# Altium PCB xe.PcbDoc (part 2 of 2)
Units mm, origin at the board's own origin, x right, y up, seen from the top; angles counter-clockwise.
Board outline 100.01 x 100.01 mm, 2 copper layers (Top Layer, Bottom Layer); 138 components, 83 nets, 412 pads, 42 vias.
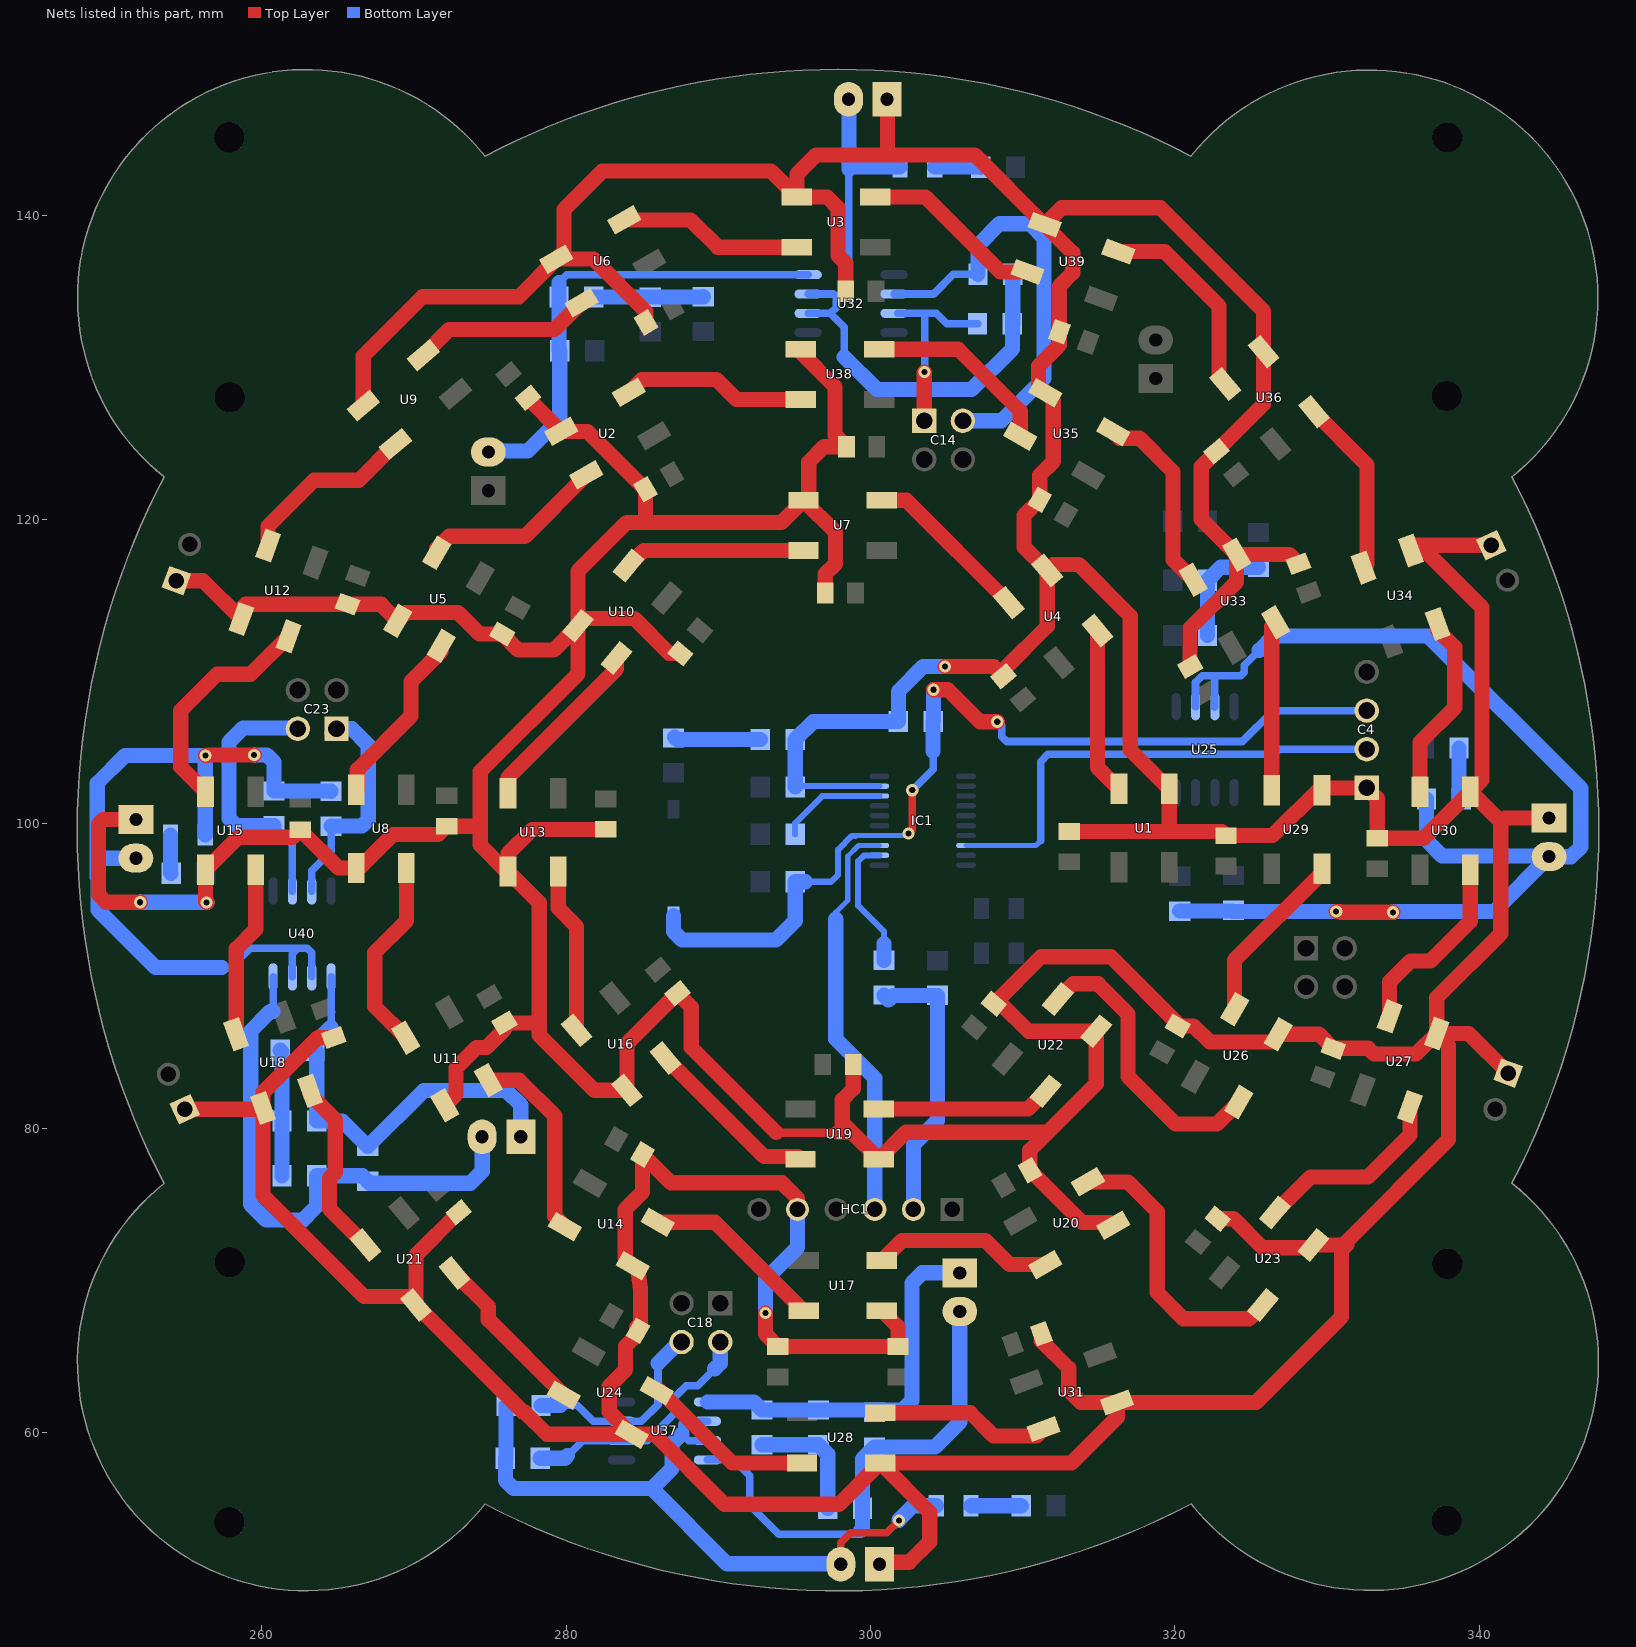
[diagram p2: the nets of this part, all layers, seen from the top]

## Via types
v1: diameter 0.8, hole 0.4, Top Layer to Bottom Layer, 42 vias

## Nets (pads, with @x,y where several pads share a name; then routed paths per layer and width w, separated by ;. In a path a pad name is that pad's centre, name@x,y a point inside that pad or via, vN(x,y) a via of type N, cw(c..) or ccw(c..) an arc to the next point about the centre after c; other vN are vias at no path point) (continued)
NetC13_2: C13.2 C16.2 R11.1 U32.4 | length 31.2
  Bottom Layer w0.5: 279.527,135.585 280.035,136.093 U32.4@295.899,136.093
  Bottom Layer w1: C13.2@274.879,124.435 274.955,124.511 277.47,124.511 279.578,126.619 C16.2@279.578,131.089 279.527,131.14 R11.1@279.527,134.62 279.527,135.585
NetC14_1: C14.1 R12.1 U32.7 | length 12.6
  Top Layer w1: C14.1@303.53,126.492 303.53,129.667 v1(303.555,129.692)
  Bottom Layer w0.5: U32.7@301.803,133.553 303.606,133.553 ; v1(303.555,129.692) 303.555,133.553 304.317,133.553 305.003,132.867 R12.1@307.035,132.867
NetC14_2: C14.2 R13.1 U32.6 | length 29
  Bottom Layer w0.5: U32.6@301.549,134.823 304.14,134.823 305.435,136.119 R13.1@307.061,136.119
  Bottom Layer w1: C14.2@306.07,126.492 308.61,126.492 311.404,129.286 311.404,138.506 310.464,139.446 308.483,139.446 307.061,138.024 R13.1@307.061,136.119
NetC17_1: C17.1 C19.1 LED8.2 LED9.1 U37.1 | length 25.1
  Bottom Layer w1: U37.1@289.286,62.001 292.329,62.001 LED8.2@292.862,61.468 LED9.1@296.577,61.468 302.082,61.468 302.717,62.103 302.717,69.825 303.378,70.485 C17.1@305.867,70.485
NetC17_2: C17.2 C19.2 R16.1 U37.4 | length 32.7
  Bottom Layer w0.5: U37.4@289.286,58.191 291.008,58.191 292.049,57.15 292.049,55.22 293.954,53.315 299.11,53.315 299.339,53.543
  Bottom Layer w1: 299.339,53.543 299.466,53.67 R16.1@299.466,55.016 299.466,58.255 C19.2@300.253,59.042 304.228,59.042 305.867,60.681 C17.2@305.867,67.945
NetC18_2: C18.2 R18.1 U37.6 | length 16.4
  Bottom Layer w0.5: 280.086,58.471 281.076,59.461 U37.6@283.636,59.461 285.318,59.461 287.122,61.265 287.122,62.306 287.884,63.068 288.646,63.068 289.763,64.186
  Bottom Layer w1: R18.1@278.282,58.293 279.908,58.293 280.086,58.471 ; 289.763,64.186 290.119,64.541 C18.2@290.119,65.938
NetC18_3: C18.3 R17.1 U37.7 | length 13.4
  Bottom Layer w0.5: 279.629,61.773 280.721,61.773 281.762,60.731 U37.7@283.636,60.731 284.937,60.731 286.029,61.824 286.029,64.541
  Bottom Layer w1: R17.1@278.333,61.773 279.629,61.773 ; 286.029,64.541 287.426,65.938 C18.3@287.579,65.938
NetC22_1: C22.1 C24.1 LED11.2 LED13.1 U40.1 | length 28.1
  Bottom Layer w0.5: 264.541,86.639 U40.1@264.541,89.936
  Bottom Layer w1: 264.541,86.639 263.487,85.585 LED13.1@263.487,85.115 263.601,85.001 LED11.2@263.601,80.467 265.278,80.467 C24.1@266.954,78.791 270.637,82.474 276.047,82.474 277.012,81.509 C22.1@277.012,79.426
NetC22_2: C22.2 C24.2 R20.1 U40.4 | length 36.6
  Bottom Layer w0.5: 260.731,87.655 U40.4@260.731,89.936
  Bottom Layer w1: 260.731,87.655 260.528,87.655 259.207,86.335 259.258,86.284 259.258,74.981 260.274,73.965 262.433,73.965 262.56,73.838 263.601,74.879 R20.1@263.601,76.86 266.598,76.86 C24.2@266.954,76.505 267.081,76.378 273.71,76.378 274.472,77.14 C22.2@274.472,79.426
NetC23_1: C23.1 R21.1 U40.7 | length 15.2
  Bottom Layer w0.5: U40.7@263.271,95.586 263.271,96.926 264.541,98.196 R21.1@264.541,99.847
  Bottom Layer w1: R21.1@264.541,99.847 266.573,99.847 266.979,100.254 266.979,105.181 265.913,106.248 C23.1@264.897,106.248 C23.1@264.617,105.969
NetC23_2: C23.2 R22.1 U40.6 | length 17.9
  Bottom Layer w0.5: R22.1@260.782,99.873 262.001,98.654 U40.6@262.001,95.586
  Bottom Layer w1: R22.1@260.782,99.873 258.318,99.873 257.835,100.355 257.835,105.385 258.75,106.299 262.306,106.299 C23.2@262.357,106.248
NetHC1_2: HC1.2 R1.1 R2.2 | length 18.2
  Bottom Layer w1: R1.1@300.888,88.748 300.888,88.697 301.168,88.417 301.473,88.722 R2.2@304.394,88.722 304.394,80.493 302.819,78.918 HC1.2@302.819,74.955
NetLED1_1: LED1.1 R3.1 | length 5.7
  Bottom Layer w1: LED1.1@287.109,105.702 287.274,105.537 R3.1@292.76,105.537
NetLED2_1: LED2.1 LED3.2 R7.2 | length 7.3
  Bottom Layer w1: LED3.2@322.148,112.37 LED2.1@322.148,116.002 323.012,116.865 R7.2@325.501,116.865
NetLED4_1: LED4.1 R10.2 | length 3.4
  Bottom Layer w1: LED4.1@338.684,104.978 338.684,101.765 R10.2@338.823,101.625
NetLED5_1: LED5.1 LED6.2 R11.2 | length 7.2
  Bottom Layer w1: R11.2@281.813,134.62 LED6.2@285.521,134.62 288.976,134.62 LED5.1@289.001,134.645
NetLED7_1: LED7.1 R14.2 | length 3
  Bottom Layer w1: R14.2@304.216,143.167 307.226,143.167 LED7.1@307.238,143.154
NetLED8_1: LED8.1 LED9.2 R16.2 | length 8.1
  Bottom Layer w1: LED8.1@292.862,59.182 LED9.2@296.577,59.182 297.18,58.579 R16.2@297.18,55.016
NetLED10_1: LED10.1 R15.2 | length 3.3
  Bottom Layer w1: R15.2@306.603,55.181 309.893,55.181 LED10.1@309.905,55.169
NetLED11_1: LED11.1 LED13.2 R20.2 | length 8.3
  Bottom Layer w1: LED13.2@261.201,85.115 261.315,85.001 LED11.1@261.315,80.467 R20.2@261.315,76.86
NetLED12_1: LED12.1 R19.2 | length 2.5
  Bottom Layer w1: R19.2@253.987,99.263 253.987,96.787 LED12.1@254.025,96.749
NetU1_2: U1.2 U4.4 | length 11
  Top Layer w1: U4.4@314.923,112.708 314.923,103.709 U1.2@316.335,102.297
NetU2_2: U2.2 U5.4 | length 12.1
  Top Layer w1: U5.4@271.493,117.803 271.493,118.102 272.288,118.897 277.279,118.897 U2.2@281.31,122.929
NetU2_4: U2.4 U38.2 | length 12.2
  Top Layer w1: U2.4@284.121,128.362 284.968,129.21 289.865,129.21 291.182,127.892 U38.2@295.416,127.892
NetU3_2: U3.2 U6.4 | length 12.1
  Top Layer w1: U6.4@283.816,139.691 288.172,139.691 289.963,137.9 U3.2@295.162,137.9
NetU3_4: U3.4 U39.2 | length 12
  Top Layer w1: U3.4@300.312,141.2 303.605,141.2 308.53,136.275 U39.2@310.317,136.275
NetU4_2: U4.2 U7.4 | length 11.1
  Top Layer w1: U7.4@300.744,121.261 302.356,121.261 U4.2@309.085,114.532
NetU5_2: U5.2 U8.4 | length 11.9
  Top Layer w0: U8.4@266.064,102.268 U8.4@266.268,102.268
  Top Layer w1: U8.4@266.268,102.268 266.268,103.556 269.799,107.086 269.799,109.347 271.775,111.324 U5.2@271.775,111.693
NetU6_2: U6.2 U9.4 | length 11.8
  Top Layer w1: U9.4@270.603,130.799 272.291,132.486 279.234,132.486 U6.2@281.006,134.258
NetU7_2: U7.2 U10.4 | length 11.9
  Top Layer w1: U10.4@284.084,116.967 285.078,117.961 U7.2@295.594,117.961
NetU8_2: U8.2 U11.4 | length 12.9
  Top Layer w1: U11.4@269.453,85.95 267.411,87.991 267.411,91.542 269.491,93.621 U8.2@269.491,97.093
NetU9_2: U9.2 U12.4 | length 11.9
  Top Layer w1: U12.4@260.404,118.292 260.404,119.561 263.423,122.58 266.37,122.58 268.75,124.96 U9.2@268.779,124.96
NetU10_2: U10.2 U13.4 | length 11.8
  Top Layer w1: U13.4@276.173,102.014 276.173,103.046 283.302,110.175 U10.2@283.302,110.901
NetU11_2: U11.2 U14.4 | length 12.9
  Top Layer w1: U11.2@274.885,83.14 276.905,83.14 279.248,80.797 279.248,74.188 U14.4@279.91,73.525
NetU12_2: U12.2 U15.4 | length 15.1
  Top Layer w1: U15.4@256.285,102.116 254.66,103.74 254.66,107.442 257.048,109.83 259.249,109.83 U12.2@261.743,112.324
NetU13_2: U13.2 U16.4 | length 10.9
  Top Layer w1: U13.2@279.473,96.864 279.473,94.466 280.681,93.257 U16.4@280.681,86.428
NetU14_2: U14.2 U17.4 | length 12
  Top Layer w1: U14.2@286.02,73.808 289.784,73.808 U17.4@295.597,67.994
NetU15_2: U15.2 U18.4 | length 11.3
  Top Layer w1: U18.4@258.305,86.166 258.305,91.783 259.585,93.062 U15.2@259.585,96.966
NetU16_2: U16.2 U19.4 | length 11.6
  Top Layer w1: U16.2@286.52,84.604 292.993,78.13 295.215,78.13 U19.4@295.394,77.951
NetU17_2: U17.2 U20.4 | length 11.9
  Top Layer w1: U17.2@300.747,71.294 302.071,72.619 307.543,72.619 309.134,71.028 U20.4@311.484,71.028
NetU18_2: U18.2 U21.4 | length 12
  Top Layer w1: U18.2@263.168,82.455 263.168,82.196 264.82,80.543 264.82,77.089 264.439,76.708 264.439,74.679 U21.4@266.813,72.305
NetU19_2: U19.2 U22.4 | length 11.5
  Top Layer w1: U19.2@300.544,81.251 310.349,81.251 U22.4@311.521,82.423
NetU20_2: U20.2 U23.4 | length 18.7
  Top Layer w1: U20.2@314.294,76.461 316.909,76.461 318.846,74.524 318.846,69.19 320.573,67.462 324.881,67.462 U23.4@325.795,68.376
NetU21_2: U21.2 U24.4 | length 11
  Top Layer w1: U21.2@272.651,70.482 274.879,68.254 274.879,67.406 U24.4@279.834,62.451
NetU22_2: U22.2 U26.4 | length 19.2
  Top Layer w1: U22.2@312.303,88.489 313.298,89.484 314.985,89.484 314.96,89.459 316.916,87.503 316.916,83.388 320.04,80.264 322.763,80.264 U26.4@324.214,81.714
NetU23_2: U23.2 U27.4 | length 12.8
  Top Layer w1: U23.2@326.578,74.443 328.919,76.784 332.689,76.784 335.455,79.55 U27.4@335.455,81.377
NetU24_2: U24.2 U28.4 | length 11.5
  Top Layer w1: U24.2@285.944,62.733 286.161,62.733 290.908,57.987 U28.4@295.496,57.987
NetU26_2: U26.2 U29.4 | length 11.6
  Top Layer w1: U26.2@323.931,87.824 323.931,91.038 329.668,96.775 U29.4@329.668,97.045
NetU27_2: U27.2 U30.4 | length 12.6
  Top Layer w1: U27.2@334.115,87.345 334.115,89.615 335.483,90.983 336.804,90.983 339.422,93.6 U30.4@339.422,96.969
NetU28_2: U28.2 U31.4 | length 11.5
  Top Layer w1: U28.2@300.646,61.287 306.556,61.287 308.077,59.766 310.925,59.766 U31.4@311.37,60.211
NetU29_2: U29.2 U33.4 | length 11.2
  Top Layer w1: U29.2@326.368,102.195 326.368,112.97 U33.4@326.635,113.237
NetU30_2: U30.2 U34.4 | length 12.4
  Top Layer w1: U30.2@336.122,102.119 336.122,105.363 338.404,107.645 338.404,111.608 337.274,112.738 U34.4@337.274,113.123
NetU33_2: U33.2 U35.4 | length 12.7
  Top Layer w1: U35.4@315.948,125.763 316.363,125.349 317.678,125.349 319.888,123.139 319.888,117.361 U33.2@321.202,116.047
NetU34_2: U34.2 U36.4 | length 11.8
  Top Layer w1: U36.4@329.147,127.085 332.638,123.593 332.638,117.06 U34.2@332.412,116.833
NetU35_2: U35.2 U38.4 | length 12.6
  Top Layer w1: U38.4@300.566,131.192 305.764,131.192 309.838,127.118 U35.2@309.838,125.481
NetU36_2: U36.2 U39.4 | length 13.4
  Top Layer w1: U39.4@316.285,137.614 319.332,137.614 322.91,134.036 322.91,129.307 U36.2@323.309,128.908
NRST: C3.2 C4.3 IC1.4 R4.1 SW1.1 | length 63.6
  Top Layer w0.5: v1(302.489,99.365) 302.463,99.339 302.463,99.289 302.743,99.568 v1(302.743,102.21)
  Top Layer w1: v1(304.14,108.814) 305.079,108.814 307.188,106.705 v1(308.331,106.705)
  Bottom Layer w0.35: 299.003,99.207 299.024,99.228 IC1.4@300.578,99.228 302.352,99.228 v1(302.489,99.365)
  Bottom Layer w0.4: 295.732,96.19 297.409,96.19 297.866,96.647 297.866,98.297 298.775,99.207 299.003,99.207
  Bottom Layer w0.5: v1(302.743,102.21) 304.114,103.581 304.114,104.775 ; v1(308.331,106.705) 308.407,106.705 308.635,106.477 308.635,105.715 308.94,105.41 324.434,105.41 326.466,107.442 C4.3@332.613,107.442
  Bottom Layer w1: SW1.1@287.045,93.96 287.045,92.913 287.604,92.354 293.776,92.354 295.046,93.624 C3.2@295.046,96.19 295.732,96.19 ; 304.114,104.775 R4.1@304.114,106.731 304.14,106.756 v1(304.14,108.814)
RX: HC1.3 IC1.3 | length 26.7
  Bottom Layer w0.35: 297.713,93.726 297.713,94.183 298.501,94.971 298.501,97.866 299.213,98.578 IC1.3@300.578,98.578
  Bottom Layer w1: 297.713,93.726 297.713,85.852 300.279,83.287 HC1.3@300.279,74.955
SWIM: C4.2 IC1.18 | length 32
  Bottom Layer w0.35: IC1.18@306.278,98.578 310.871,98.578 311.175,98.882
  Bottom Layer w0.5: 311.175,98.882 311.175,104.089 311.658,104.572 326.542,104.572 326.873,104.902 C4.2@332.613,104.902
TX: IC1.2 R1.2 | length 8.8
  Bottom Layer w0.4: IC1.2@300.578,97.928 299.579,97.928 299.187,97.536 299.187,94.615 300.888,92.913 300.888,92.126
  Bottom Layer w1: R1.2@300.888,91.034 300.888,92.126
VCAP: C1.2 IC1.8 | length 7
  Bottom Layer w0.4: C1.2@295.046,99.306 295.046,100.051 296.82,101.824 IC1.8@300.578,101.824
VCC: C2.2 C4.1 C5.1 C6.1 C7.1 C8.1 C9.1 C15.1 C20.1 C21.1 Cx1.2 Cx2.2 Cx3.2 Cx4.2 Cx5.2 Cx6.2 Cx7.2 Cx8.2 Cx9.2 Cx10.2 Cx11.2 Cx12.2 Cx13.2 Cx14.2 Cx15.2 Cx16.2 Cx17.2 Cx18.2 Cx19.2 Cx20.2 Cx21.2 Cx22.2 Cx23.2 Cx24.2 Cx25.2 Cx26.2 Cx27.2 Cx28.2 Cx29.2 Cx30.2 Cx31.2 Cx32.2 Cx33.2 Cx34.2 Cx35.2 Cx36.2 HC1.5 IC1.9 R3.2 R4.2 U1.1 U2.1 U3.1 U4.1 U5.1 U6.1 U7.1 U8.1 U9.1 U10.1 U11.1 U12.1 U13.1 U14.1 U15.1 U16.1 U17.1 U18.1 U19.1 U20.1 U21.1 U22.1 U23.1 U24.1 U26.1 U27.1 U28.1 U29.1 U30.1 U31.1 U33.1 U34.1 U35.1 U36.1 U38.1 U39.1 | length 797
  Top Layer w0.55: 293.802,79.705 297.84,79.705
  Top Layer w1: C21.1@251.714,100.279 249.555,100.279 249.25,99.974 249.25,95.352 249.758,94.844 251.892,94.844 251.917,94.818 251.943,94.844 v1(251.993,94.844) ; C5.1@254.376,115.977 256.118,115.977 U12.1@258.642,113.453 ; C6.1@254.921,81.239 259.979,81.239 U18.1@260.067,81.326 ; v1(256.362,94.818) 256.285,94.896 U15.1@256.285,96.966 258.429,99.111 262.011,99.111 Cx15.2@262.509,99.609 265.025,97.093 U8.1@266.191,97.093 266.409,97.093 268.605,99.289 271.586,99.289 Cx8.2@272.136,99.838 274.126,99.838 274.345,99.619 ; U12.1@258.642,114.142 258.928,114.427 Cx12.2@265.621,114.427 267.833,114.427 U5.1@268.918,113.343 269.468,113.894 272.872,113.894 274.297,112.469 Cx5.2@275.801,112.469 276.84,111.43 279.181,111.43 U10.1@280.774,113.022 ; Cx18.2@264.719,85.954 263.677,85.954 260.067,82.343 U18.1@260.067,81.326 ; U9.1@266.658,127.488 266.658,130.743 270.561,134.645 276.885,134.645 U6.1@279.356,137.116 ; U11.1@272.028,81.49 272.745,82.207 272.745,83.947 274.091,85.293 274.752,85.293 275.938,86.479 Cx11.2@275.938,86.916 277.942,86.916 278.219,86.639 ; Cx21.2@272.931,74.469 270.123,71.661 U21.1@270.123,68.36 ; Cx9.2@277.478,128.012 277.478,127.97 U2.1@279.66,125.787 281.406,125.787 Cx2.2@285.214,121.979 285.214,119.967 285.369,119.812 ; Cx13.2@282.601,99.635 277.765,99.635 276.173,98.043 U13.1@276.173,96.864 ; Cx6.2@285.24,132.951 285.24,133.657 281.781,137.116 U6.1@279.356,137.116 ; Cx10.2@287.495,111.197 286.77,111.197 284.48,113.487 281.239,113.487 U10.1@280.774,113.022 ; v1(293.091,67.843) 293.091,66.456 Cx17.2@293.903,65.643 Cx27.2@301.803,65.643 301.803,66.939 U17.1@300.747,67.994 ; 293.802,79.705 288.214,85.293 288.214,87.964 Cx16.2@287.307,88.871 283.992,85.555 U16.1@283.992,82.483 281.855,82.483 278.219,86.119 278.219,86.639 ; HC1.5@295.199,74.955 295.199,75.387 294.183,76.403 286.878,76.403 Cx14.2@285.016,78.265 285.016,75.796 283.87,74.651 283.87,71.45 U14.1@284.37,70.95 284.709,70.612 284.886,69.418 284.886,67.158 284.632,66.904 284.632,66.396 283.896,65.659 283.896,64.11 282.829,63.043 282.829,61.341 U24.1@284.294,59.876 ; U38.1@295.416,131.192 295.416,130.974 297.663,128.727 297.663,125.543 Cx35.2@298.415,124.79 296.951,124.79 295.935,123.774 295.935,121.602 U7.1@295.594,121.261 ; Cx7.2@297.018,115.163 297.018,116.408 297.688,117.078 297.688,119.167 U7.1@295.594,121.261 ; 297.84,79.705 298.79,79.705 ; Cx3.2@298.364,135.001 298.364,136.865 297.866,137.363 297.866,140.487 297.153,141.2 U3.1@295.162,141.2 ; Cx19.2@298.866,84.176 298.866,82.585 298.145,81.864 298.145,80.35 298.79,79.705 ; C20.1@300.507,51.613 300.66,51.46 302.539,51.46 303.886,52.807 303.886,54.747 U28.1@300.646,57.987 ; C15.1@301.117,147.193 301.117,144.043 301.193,143.967 ; v1(304.902,110.338) 308.098,110.338 Cx4.2@308.729,109.707 308.729,110.101 311.613,112.985 U4.1@311.613,116.653 ; Cx30.2@311.226,66.484 311.226,66.015 313.03,64.211 313.03,62.763 313.821,61.972 U31.1@316.209,61.972 ; Cx1.2@313.503,99.492 319.635,99.492 ; U20.1@315.944,73.603 315.76,73.787 313.913,73.787 Cx36.2@310.467,77.234 310.467,78.539 311.658,79.731 ; Cx31.2@321.005,110.338 321.005,112.852 324.06,115.907 U33.1@324.06,117.697 ; Cx20.2@322.816,74.045 323.846,74.045 325.755,72.136 328.92,72.136 U23.1@329.106,72.321 331.3,72.321 ; Cx29.2@328.131,117.094 327.527,117.697 U33.1@324.06,117.697 ; C8.1@340.792,118.313 335.863,118.313 U34.1@335.513,117.962 336.444,117.962 340.182,114.224 340.182,102.88 U30.1@339.422,102.119 ; C7.1@341.915,83.616 339.314,86.217 U27.1@337.216,86.217 ; C9.1@344.602,100.381 341.694,100.381 341.427,100.114 ; U18.1@260.067,81.326 260.067,75.569 266.7,68.936 269.548,68.936 U21.1@270.123,68.36 ; U21.1@270.123,68.36 277.143,61.341 277.266,61.341 278.732,59.876 U24.1@284.294,59.876 ; 274.345,99.619 274.345,103.429 280.774,109.857 U10.1@280.774,113.022 ; 274.345,99.619 274.345,98.603 276.084,96.864 U13.1@276.173,96.864 ; U13.1@276.173,96.864 278.219,94.818 278.219,86.639 ; U6.1@279.356,137.116 279.857,137.617 279.857,140.386 282.372,142.9 293.462,142.9 U3.1@295.162,141.2 ; U10.1@280.774,113.022 280.774,116.614 283.972,119.812 285.369,119.812 ; U24.1@284.294,59.876 285.793,59.876 290.398,55.27 297.917,55.27 300.633,57.987 U28.1@300.646,57.987 ; 285.369,119.812 294.145,119.812 U7.1@295.594,121.261 ; U3.1@295.162,141.2 295.162,142.711 296.418,143.967 301.193,143.967 ; 298.79,79.705 U19.1@300.544,77.951 302.323,79.731 311.658,79.731 ; U28.1@300.646,57.987 313.206,57.987 316.209,60.99 U31.1@316.209,61.972 ; 301.193,143.967 306.854,143.967 U39.1@311.446,139.376 ; U39.1@311.446,139.376 313.284,137.538 313.284,136.22 312.42,135.357 Cx34.2@312.42,132.346 312.42,131.47 311.048,130.099 311.048,128.778 U35.1@311.488,128.338 312.014,127.813 312.014,123.825 311.122,122.933 Cx33.2@311.122,121.302 310.083,120.264 310.083,118.183 U4.1@311.613,116.653 ; U39.1@311.446,139.376 312.558,140.487 319.049,140.487 325.837,133.7 U36.1@325.837,131.03 325.837,127.576 Cx32.2@322.75,124.489 321.742,123.481 321.742,120.015 U33.1@324.06,117.697 ; U4.1@311.613,116.653 312.003,117.043 313.69,117.043 317.068,113.665 317.068,104.864 U1.1@319.635,102.297 319.635,99.492 ; 311.658,79.731 314.831,82.903 U22.1@314.831,86.368 310.38,86.368 308.585,88.163 Cx22.2@308.102,88.163 311.201,91.262 315.798,91.262 320.184,86.876 Cx25.2@320.184,86.718 321.231,86.718 322.301,85.649 326.39,85.649 326.789,86.047 U26.1@326.789,86.174 329.483,86.174 Cx23.2@330.415,85.242 332.715,85.242 333.096,84.861 335.861,84.861 U27.1@337.216,86.217 ; U31.1@316.209,61.972 325.345,61.972 330.962,67.589 330.962,71.984 331.3,72.321 ; 319.635,99.492 323.097,99.492 Cx28.2@323.367,99.222 326.425,99.222 329.565,102.362 C4.1@332.613,102.362 333.299,101.676 Cx26.2@333.299,99.044 336.347,99.044 U30.1@339.422,102.119 ; 331.3,72.321 331.3,72.55 337.998,79.248 337.998,85.435 U27.1@337.216,86.217 ; U27.1@337.216,86.217 337.216,88.576 341.427,92.786 341.427,100.114 ; U30.1@339.422,102.119 341.427,100.114
  Bottom Layer w0.4: C2.2@295.046,102.421 295.103,102.478 IC1.9@300.578,102.478
  Bottom Layer w1: v1(251.993,94.844) 256.21,94.844 256.235,94.818 v1(256.362,94.818) ; v1(293.091,67.843) 293.091,70.053 295.199,72.161 HC1.5@295.199,74.651 ; C2.2@295.046,102.421 R3.2@295.046,105.537 296.24,106.731 R4.2@301.828,106.731 301.828,108.712 303.454,110.338 v1(304.902,110.338)
VCC_Motor_1: C9.2 R8.2 R9.2 R10.1 U25.2 U25.3 | length 78
  Top Layer w1: v1(330.606,94.234) 330.86,94.234 330.911,94.183 v1(334.34,94.183)
  Bottom Layer w0.5: U25.2@321.361,107.702 321.361,109.296 321.793,109.728 322.428,109.728 ; U25.3@322.605,107.676 U25.3@322.631,107.702 322.631,109.525 322.428,109.728 ; 325.552,111.404 324.561,110.414 324.561,109.957 324.333,109.728 322.428,109.728
  Bottom Layer w1: R8.2@320.319,94.259 323.799,94.259 323.825,94.234 v1(330.606,94.234) ; 325.552,111.404 326.492,112.344 336.652,112.344 346.685,102.311 346.685,98.476 346.05,97.841 C9.2@344.602,97.841 ; v1(334.34,94.183) 334.391,94.234 340.995,94.234 C9.2@344.602,97.841 ; R10.1@336.537,101.625 336.537,98.92 337.566,97.892 344.551,97.892 C9.2@344.602,97.841
VCC_Motor_2: C15.2 R12.2 R13.2 R14.1 U32.2 U32.3 | length 42.6
  Bottom Layer w0.5: U32.2@295.899,133.553 297.358,133.553 ; U32.3@295.899,134.823 297.536,134.823 297.764,134.595 ; 298.272,130.683 298.272,132.639 297.358,133.553 ; 298.577,143.027 298.577,134.722 298.399,134.544 297.815,134.544 297.764,134.595 ; 297.358,133.553 297.764,133.96 297.764,134.595
  Bottom Layer w1: 298.272,130.683 300.417,128.538 306.643,128.538 309.321,131.216 R12.2@309.321,132.867 309.347,132.893 R13.2@309.347,136.119 ; C15.2@298.577,147.193 298.577,143.027 298.717,143.167 R14.1@301.93,143.167
VCC_Motor_3: C20.2 R15.1 R17.2 R18.2 U37.2 U37.3 | length 46.3
  Top Layer w0.5: C20.2@298.044,51.333 298.044,52.73 298.704,53.391 301.066,53.391 v1(301.879,54.204)
  Bottom Layer w0.5: U37.3@289.286,59.461 288.061,59.461 287.604,59.919 287.604,60.528 287.807,60.731 U37.2@289.286,60.731
  Bottom Layer w1: R17.2@276.047,61.773 276.047,58.344 R18.2@275.996,58.293 275.996,56.845 276.53,56.312 285.623,56.312 ; 287.604,59.919 286.944,59.258 286.944,57.633 285.623,56.312 ; C20.2@297.612,51.13 297.383,51.359 290.576,51.359 285.623,56.312 ; v1(301.879,54.204) 301.879,54.254 302.806,55.181 R15.1@304.317,55.181
VCC_Motor_4: C21.2 R19.1 R21.2 R22.2 U40.2 U40.3 | length 54.3
  Top Layer w1: v1(256.286,104.496) 256.413,104.496 256.438,104.521 v1(259.486,104.521)
  Bottom Layer w0.5: 257.378,90.551 257.962,90.551 259.232,91.821 262.357,91.821 ; U40.3@262.001,89.936 262.001,91.465 262.357,91.821 ; U40.2@263.271,89.936 263.271,91.516 262.966,91.821 262.357,91.821
  Bottom Layer w1: C21.2@251.714,97.739 249.276,97.739 249.174,97.638 ; R19.1@256.273,99.263 256.273,104.483 v1(256.286,104.496) 251.003,104.496 249.174,102.667 249.174,97.638 ; 257.378,90.551 253.009,90.551 249.225,94.336 249.225,96.444 249.174,96.495 249.174,97.638 ; v1(259.486,104.521) 260.325,104.521 260.782,104.064 R22.2@260.782,102.159 264.516,102.159 R21.2@264.541,102.133
pads on no net: HC1.1 HC1.6 IC1.15 IC1.16 IC1.17 U31.2

## Polygon pours and split planes (outlines as drawn)
GND on Bottom Layer "GND_BOTTOM" (solid, pour order 14): 247.828,149.606 347.878,149.606 347.878,49.555 247.828,49.555
no net on Bottom Layer "Bottom Layer-No Net" (solid, pour order 4): 247.828,149.606
no net on Bottom Layer "Bottom Layer-No Net 1" (solid, pour order 2): 264.744,149.479
GND on Top Layer "GND_TOP" (solid, pour order 12): 247.828,149.606 347.878,149.606 347.878,49.581 347.853,49.555 247.828,49.555
no net on Top Layer "Top Layer-No Net" (solid, pour order 8): 259.588,149.377

## Other copper
Top Layer:
  region: 322.478,133.731
  region: 287.198,122.657
  region: 286.946,122.979
Bottom Layer:
  region: 283.134,61.925

## Silkscreen, mask and mechanical layers (free items; w line width, h text height)
Top Overlay:
  drawing of 8615 lines, arcs and shapes, not listed
Bottom Overlay:
  text "Design by Vu Minh Ngoc" at 312.75,112.192 h3
Mechanical 1:
  circle w0.013: c337.862,71.118 r1
  circle w0.013: c337.862,54.118 r1
  circle w0.013: c312.005,85.476 r2.5
  circle w0.013: c312.863,73.638 r2.5
  circle w0.013: c323.844,84.618 r2.5
  circle w0.013: c313.17,62.663 r2.5
  circle w0.013: c326.147,71.334 r2.5
  circle w0.013: c334.818,84.311 r2.5
  circle w0.013: c337.863,71.119 r1
  circle w0.013: c337.863,54.119 r1
  circle w0.013: c337.862,145.118 r1
  circle w0.013: c337.862,128.118 r1
  circle w0.013: c257.862,145.118 r1
  circle w0.013: c257.862,128.118 r1
  circle w0.013: c257.862,71.118 r1
  circle w0.013: c257.862,54.118 r1
  circle w0.013: c317.863,99.618 r2.5
  circle w0.013: c312.005,113.761 r2.5
  circle w0.013: c297.863,119.618 r2.5
  circle w0.013: c283.721,113.761 r2.5
  circle w0.013: c277.863,99.618 r2.5
  circle w0.013: c283.721,85.476 r2.5
  circle w0.013: c297.863,79.618 r2.5
  circle w0.013: c327.863,99.618 r2.5
  circle w0.013: c323.844,114.618 r2.5
  circle w0.013: c312.863,125.599 r2.5
  circle w0.013: c297.863,129.618 r2.5
  circle w0.013: c282.863,125.599 r2.5
  circle w0.013: c271.882,114.618 r2.5
  circle w0.013: c267.863,99.618 r2.5
  circle w0.013: c271.882,84.618 r2.5
  circle w0.013: c282.863,73.638 r2.5
  circle w0.013: c297.863,69.618 r2.5
  circle w0.013: c337.845,99.568 r2.5
  circle w0.013: c334.818,114.926 r2.5
  circle w0.013: c326.147,127.903 r2.5
  circle w0.013: c313.17,136.574 r2.5
  circle w0.013: c297.863,139.619 r2.5
  circle w0.013: c282.556,136.574 r2.5
  circle w0.013: c269.579,127.903 r2.5
  circle w0.013: c260.908,114.926 r2.5
  circle w0.013: c257.863,99.618 r2.5
  circle w0.013: c260.908,84.311 r2.5
  circle w0.013: c269.579,71.334 r2.5
  circle w0.013: c282.556,62.663 r2.5
  circle w0.013: c297.863,59.618 r2.5
  circle w0.013: c337.863,145.119 r1
  circle w0.013: c337.863,128.119 r1
  circle w0.013: c257.863,145.119 r1
  circle w0.013: c257.863,128.119 r1
  circle w0.013: c257.863,71.119 r1
  circle w0.013: c257.863,54.119 r1
  lines w0.013: 257.862,54.118 257.862,71.118 ; 257.862,128.118 257.862,145.118 ; 257.863,54.119 257.863,71.119 ; 257.863,128.119 257.863,145.119 ; 337.862,54.118 337.862,71.118 ; 337.862,128.118 337.862,145.118 ; 337.863,54.119 337.863,71.119 ; 337.863,128.119 337.863,145.119 ; 250.362,57.118 265.362,57.118 ; 250.362,57.118 250.362,68.118 ; 250.362,57.118 265.362,68.118 ; 250.362,68.118 265.362,68.118 ; 250.362,68.118 265.362,57.118 ; 250.362,131.118 265.362,131.118 ; 250.362,131.118 250.362,142.118 ; 250.362,131.118 265.362,142.118 ; 250.362,142.118 265.362,142.118 ; 250.362,142.118 265.362,131.118 ; 250.363,57.119 265.363,57.119 ; 250.363,57.119 250.363,68.119 ; 250.363,57.119 265.363,68.119 ; 250.363,68.119 265.363,68.119 ; 250.363,68.119 265.363,57.119 ; 250.363,131.119 265.363,131.119 ; 250.363,131.119 250.363,142.119 ; 250.363,131.119 265.363,142.119 ; 250.363,142.119 265.363,142.119 ; 250.363,142.119 265.363,131.119 ; 265.362,57.118 265.362,68.118 ; 265.362,131.118 265.362,142.118 ; 265.363,57.119 265.363,68.119 ; 265.363,131.119 265.363,142.119 ; 330.362,57.118 345.362,57.118 ; 330.362,57.118 330.362,68.118 ; 330.362,57.118 345.362,68.118 ; 330.362,68.118 345.362,68.118 ; 330.362,68.118 345.362,57.118 ; 330.362,131.118 345.362,131.118 ; 330.362,131.118 330.362,142.118 ; 330.362,131.118 345.362,142.118 ; 330.362,142.118 345.362,142.118 ; 330.362,142.118 345.362,131.118 ; 330.363,57.119 345.363,57.119 ; 330.363,57.119 330.363,68.119 ; 330.363,57.119 345.363,68.119 ; 330.363,68.119 345.363,68.119 ; 330.363,68.119 345.363,57.119 ; 330.363,131.119 345.363,131.119 ; 330.363,131.119 330.363,142.119 ; 330.363,131.119 345.363,142.119 ; 330.363,142.119 345.363,142.119 ; 330.363,142.119 345.363,131.119 ; 345.362,57.118 345.362,68.118 ; 345.362,131.118 345.362,142.118 ; 345.363,57.119 345.363,68.119 ; 345.363,131.119 345.363,142.119 ; 253.578,122.806 cw(c262.884,134.57) 274.65,143.873 cw(c297.859,99.586) 321.061,143.877 cw(c332.8,134.54) 342.141,122.803 cw(c297.859,99.586) 342.146,76.377 cw(c332.837,64.615) 321.077,55.304 cw(c297.859,99.586) 274.651,55.298 cw(c262.874,64.59) 253.579,76.362 cw(c297.859,99.586) 253.578,122.806 ; 253.579,122.806 cw(c262.885,134.57) 274.652,143.874 cw(c297.86,99.586) 321.062,143.877 cw(c332.802,134.54) 342.143,122.804 cw(c297.86,99.586) 342.147,76.377 cw(c332.838,64.615) 321.078,55.304 cw(c297.86,99.586) 274.652,55.299 cw(c262.876,64.59) 253.581,76.363 cw(c297.86,99.586) 253.579,122.806